# Altium PCB viper_eagle_modern.PcbDoc (part 1 of 4)
Units mm, origin at the board's own origin, x right, y up, seen from the top; angles counter-clockwise.
Board outline 285.4 x 100.2 mm, 2 copper layers (Component Side, Bottom Layer), stack 1.571 mm thick; 350 components, 202 nets, 1207 pads, 313 vias.
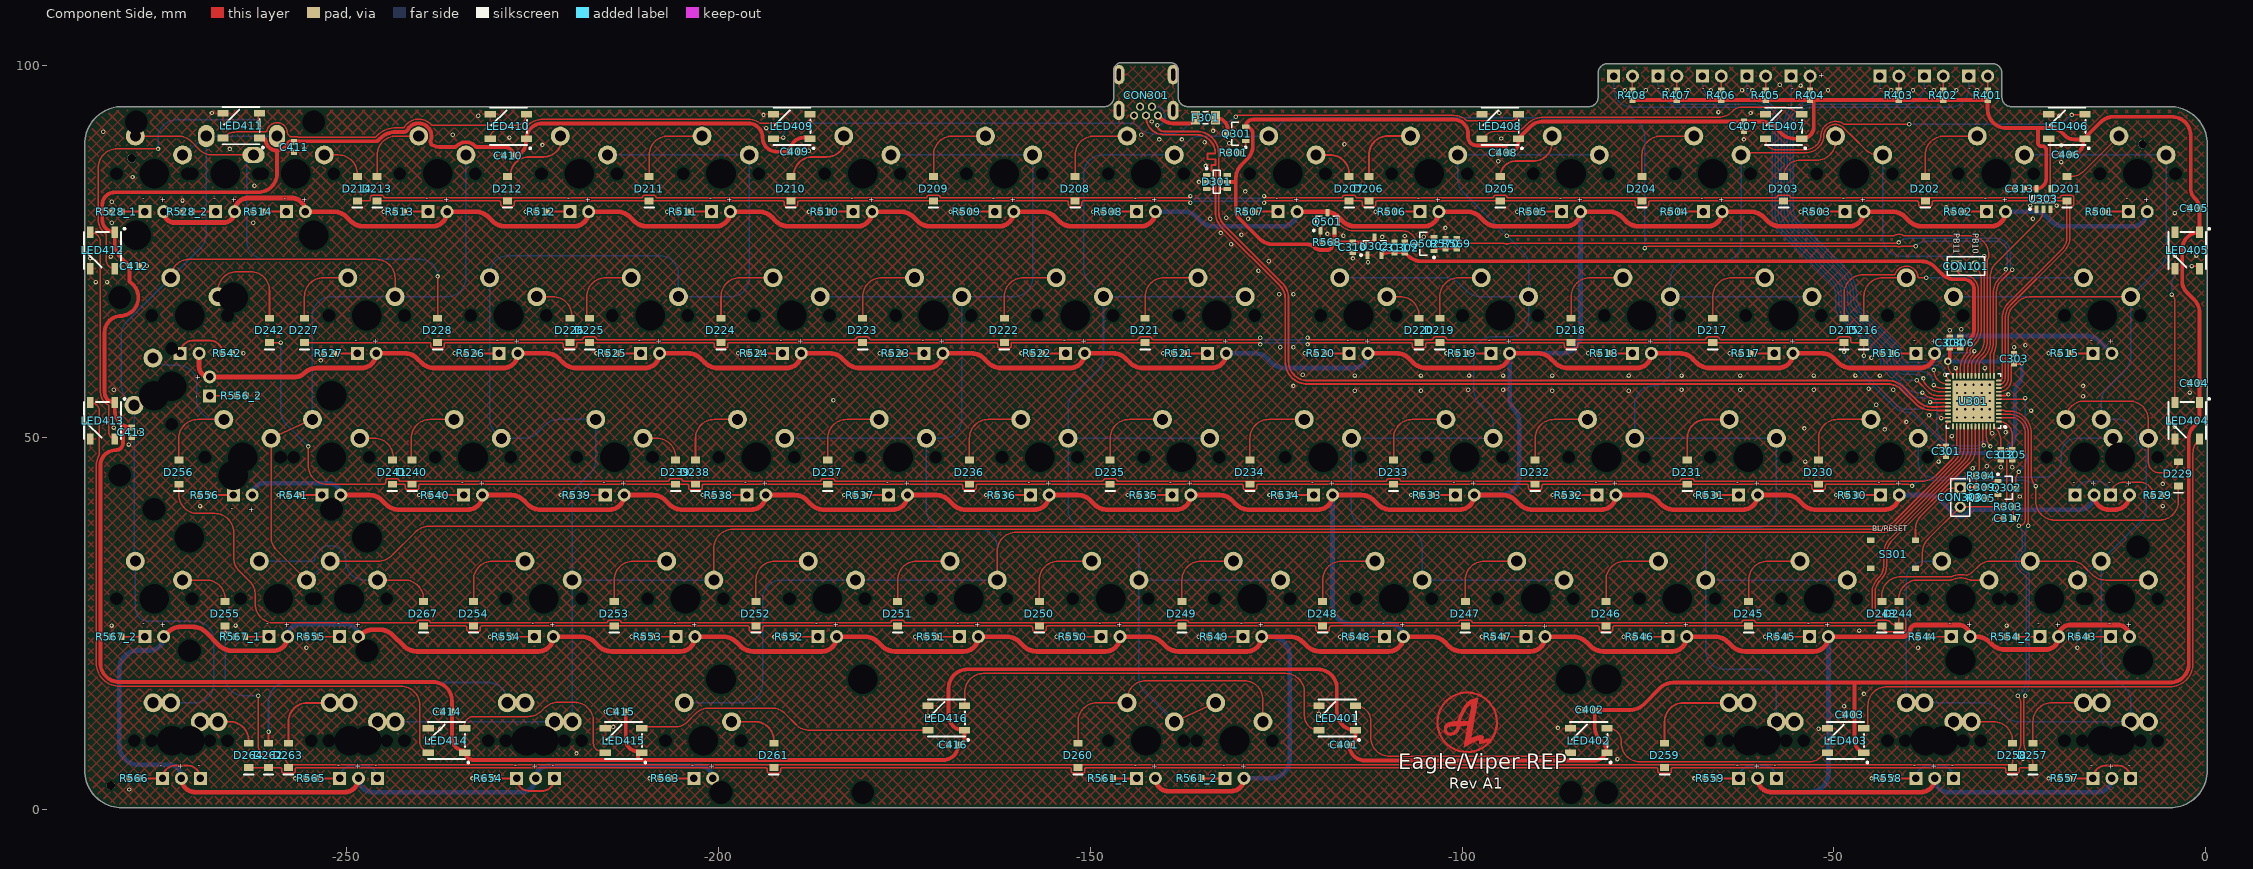
[diagram p0: Component Side view]
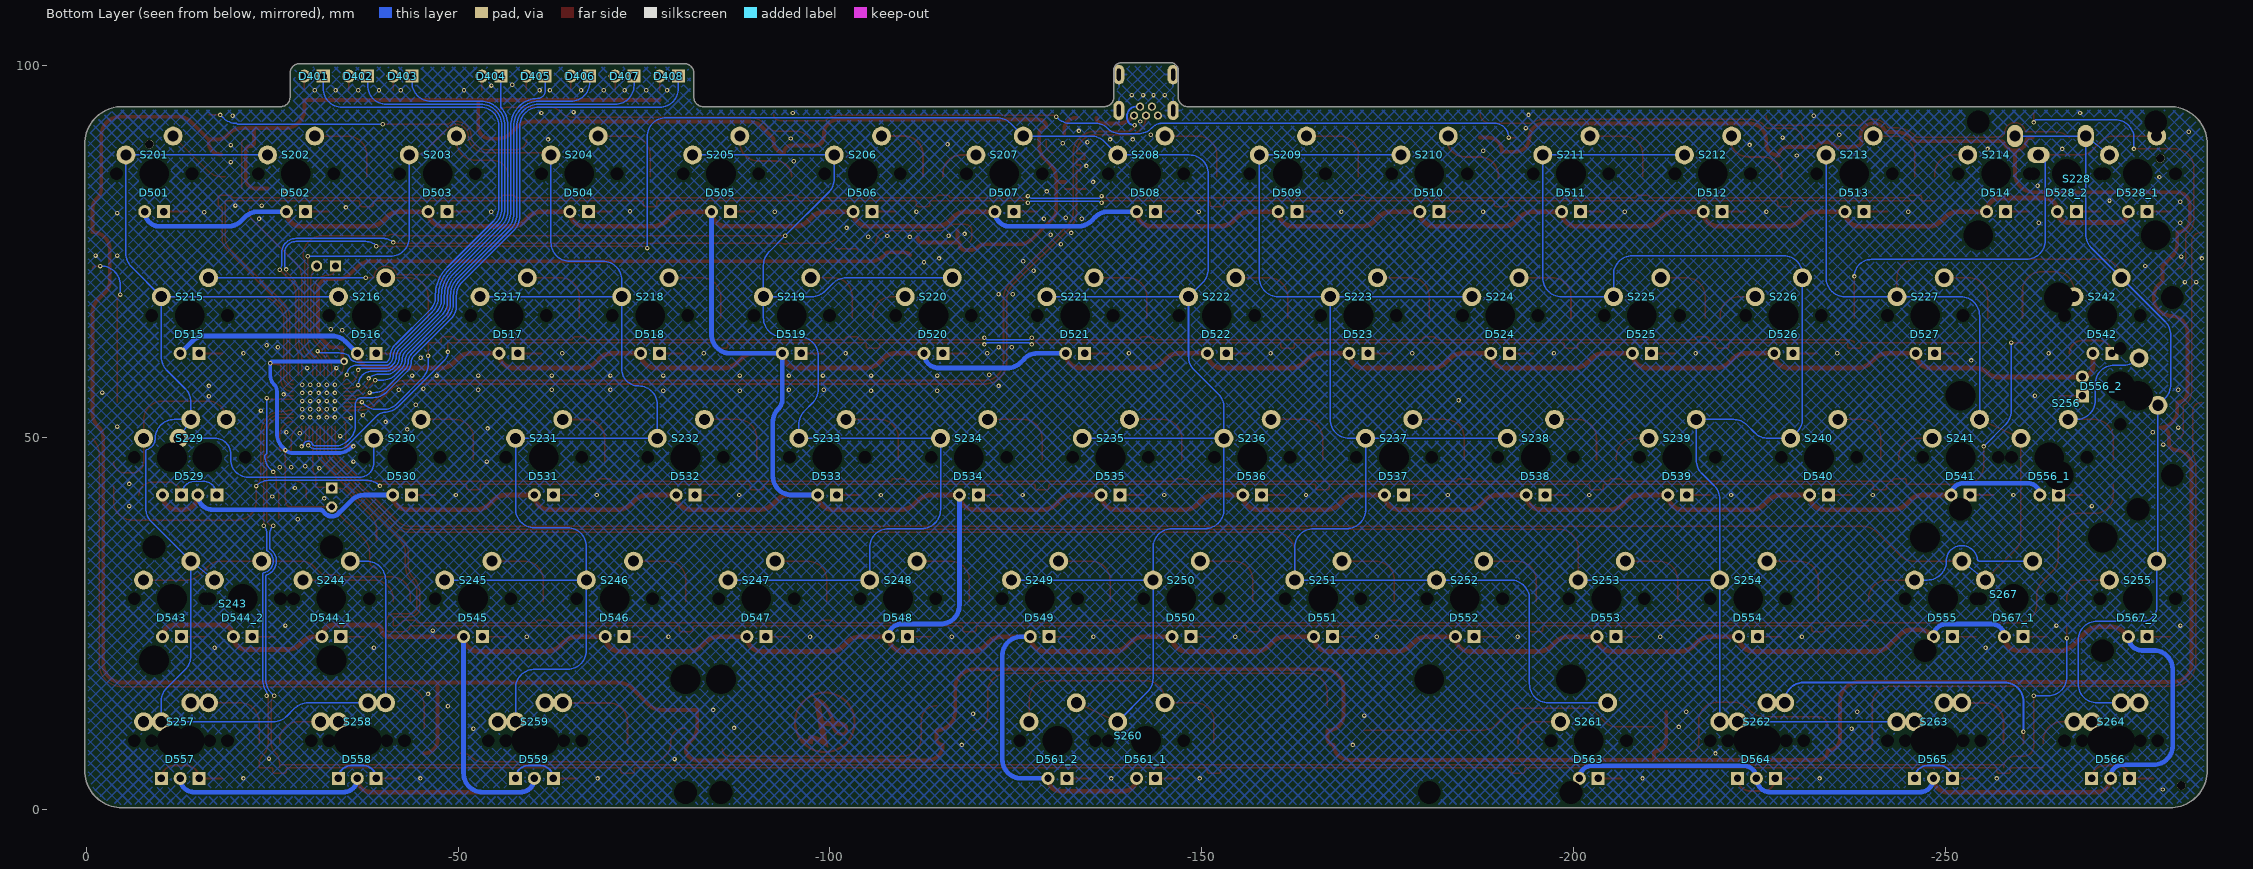
[diagram p1: Bottom Layer view, seen from below]

## Layer stack, top to bottom
Top Solder: solder mask 0.0102, Solder Resist, Dk 3.5
Component Side: signal copper 0.0356
Dielectric 1: core 1.5, FR-4, Dk 4.2
Bottom Layer: signal copper 0.0356
Solder Side: solder mask 0.0102, Solder Resist, Dk 3.5

## Board outline
-285.2,5.215 ccw(c-280.15,5.215) -280.152,0.165 ccw(c-280.15,0.215) -280.15,0.165 -4.85,0.165 ccw(c-4.85,0.215) -4.849,0.165 ccw(c-4.85,5.215) 0.2,5.215 0.2,39.065 0.2,39.37 0.2,89.414 ccw(c0.15,89.415) 0.2,89.415 ccw(c-4.85,89.415) -4.85,94.465 -26.19,94.465 ccw(c-26.19,94.415) -26.19,94.465 cw(c-26.19,95.685) -27.41,95.685 -27.41,98.933 ccw(c-28.73,98.933) -28.73,100.253 -80.391,100.253 ccw(c-80.391,98.933) -81.711,98.933 -81.711,95.685 cw(c-82.931,95.685) -82.931,94.465 -136.929,94.465 ccw(c-136.93,94.415) -136.93,94.465 cw(c-136.93,95.685) -138.15,95.685 -138.15,99.314 ccw(c-139.2,99.314) -139.05,100.354 ccw(c-139.081,100.314) -139.081,100.364 -145.812,100.364 ccw(c-145.812,100.314) -145.815,100.364 ccw(c-145.8,99.314) -146.85,99.314 -146.85,95.685 cw(c-148.07,95.685) -148.07,94.465 -280.15,94.465 ccw(c-280.15,89.415) -285.2,89.416 ccw(c-285.15,89.415) -285.2,89.415

## Design rules (kind name [scope] priority, off if disabled: settings)
Clearance [All] p1: gap=0.2 ignorepadtopadclearanceinfootprint=FALSE except(0: Arc-Hole Track-Hole SMDPad-Hole THPad-Hole Via-Hole Fill-Hole Poly-Hole Region-Hole Text-Hole; 0.254: THPad-THPad THPad-Via THPad-Fill THPad-Poly THPad-Region THPad-Text Via-Via Via-Fill Via-Poly Via-Region Via-Text Fill-Fill Fill-Poly Fill-Region Fill-Text Poly-Poly Poly-Region Poly-Text Region-Region Region-Text Text-Text)
ComponentClearance [InComponent('No Component') And OnLayer('Component Side')] p1: gap=0.254 collisioncheckmode=3 verticalgap=0.254 showdistances=FALSE
DiffPairsRouting DiffPairsRouting_USB [InDifferentialPairClass('All Differential Pairs')] p1: maxlimit=0.254 minlimit=0.203 mostfreqgap=0.203 toplayer_minwidth=0.152 toplayer_maxwidth=0.381 toplayer_prefwidth=0.152 bottomlayer_minwidth=0.152 bottomlayer_maxwidth=0.381 bottomlayer_prefwidth=0.152 maxuncoupledlength=12.7
DiffPairsRouting [All] p2: maxlimit=0.254 minlimit=0.254 mostfreqgap=0.254 toplayer_minwidth=0.381 toplayer_maxwidth=0.381 toplayer_prefwidth=0.381 bottomlayer_minwidth=0.381 bottomlayer_maxwidth=0.381 bottomlayer_prefwidth=0.381 maxuncoupledlength=12.7
HoleSize [All] p1: absolutevalues=TRUE maxlimit=20 minlimit=0.025 maxpercent=80.000 minpercent=20.000
MatchedLengths MatchedLengths_USB_DiffPairs_1 [All] p1: tolerance=0.127 checknetsindiffpair=TRUE checkdiffpairvsdiffpair=FALSE checkxsignals=FALSE checkothers=FALSE
MatchedLengths MatchedLengths_USB_DiffPairs [All] p2: tolerance=0.127 checknetsindiffpair=TRUE checkdiffpairvsdiffpair=FALSE checkxsignals=FALSE checkothers=FALSE
PolygonConnect PolygonConnect_1 [All vs IsVia] p1: connectstyle=Direct reliefconductorwidth=0.254 reliefentries=4 polygonreliefangle="90 Angle" airgapwidth=0.254
PolygonConnect [All] p2: connectstyle=Relief reliefconductorwidth=0.254 reliefentries=4 polygonreliefangle="90 Angle" airgapwidth=0.254
RoutingVias [All] p1: holewidth=0.711 width=1.27 viastyle="Through Hole" minholewidth=0.3 minwidth=0.6 maxholewidth=0.711 maxwidth=1.27
SolderMaskExpansion [All] p1: expansion=0.102 istentingtop=FALSE
Width [All] p1: maxlimit=5 minlimit=0.203 preferedwidth=0.203 minimp=50.000000 maximp=50.000000 favimp=50.000000
27 further rules are at their usual default settings.

## Classes and differential pairs
component class 1_viper_eagle_rep_top: CON101
component class Designator: C201 C202 C203 C204 C205 C206 D201 D202 D203 D204 D205 D206 D207 D208 D209 D210 D211 D212 D213 D214 D215 D216 D217 D218 D219 D220 D221 D222 D223 D224 D225 D226 D227 D228 D229 D230 D231 D232 D233 D234 D235 D236 D237 D238 D239 D240 D241 D242 D243 D244 D245 D246 D247 D248 D249 D250 D251 D252 D253 D254 D255 D256 D257 D258 D259 D260 D261 D262 D263 D264 D267 S201 S202 S203 S204 S205 S206 S207 S208 S209 S210 S211 S212 S213 S214 S215 S216 S217 S218 S219 S220 S221 S222 S223 S224 S225 S226 S227 S228 S229 S230 S231 S232 S233 S234 S235 S236 S237 S238 S239 S240 S241 S242 S243 S244 S245 S246 S247 S248 S249 S250 S251 S252 S253 S254 S255 S256 S257 S258 S259 S260 S261 S262 S263 S264 S267
differential pair D: +D_P -D_N

## Components (designator, comment, footprint, x,y, rotation, side; value= is the part's Value field where it differs from the comment)
C301 "" C0603[1608] -34.925,48.133 r90 top value=0.1uF
C302 "" C0603[1608] -107.696,75.511 r270 top value=0.1uF
C303 "" C0603[1608] -25.781,60.54 r270 top value=0.1uF
C304 "" C0603[1608] -34.417,62.738 r270 top value=0.1uF
C305 "" C0603[1608] -26.035,47.625 r90 top value=0.1uF
C306 "" C0603[1608] -33.02,62.738 r270 top value=0.1uF
C309 "" C0603[1608] -30.226,43.307 r0 top value=4.7uF
C310 "" C0603[1608] -114.681,75.565 r90 top value=4,7uF
C311 "" C0603[1608] -109.093,75.511 r270 top value=1uF
C312 "" C0603[1608] -27.559,47.625 r90 top value=4,7uF
C313 "" C0603[1608] -25.019,83.439 r0 top value=0.1uF
C317 "" C0603[1608] -26.543,39.131 r180 top value=470nF
C401 "" C0603[1608] -115.824,8.636 r0 top value=0.1uF
C402 "" C0603[1608] -82.804,13.335 r0 top value=0.1uF
C403 "" C0603[1608] -47.879,12.7 r0 top value=0.1uF
C404 "" C0603[1608] -1.524,57.277 r0 top value=0.1uF
C405 "" C0603[1608] -1.524,80.772 r0 top value=0.1uF
C406 "" C0603[1608] -18.796,88.011 r0 top value=0.1uF
C407 "" C0603[1608] -62.103,91.821 r90 top value=0.1uF
C408 "" C0603[1608] -94.488,88.265 r0 top value=0.1uF
C409 "" C0603[1608] -189.723,88.392 r180 top value=0.1uF
C410 "" C0603[1608] -228.219,87.884 r0 top value=0.1uF
C411 "" C0603[1608] -257.048,89.027 r90 top value=0.1uF
C412 "" C0603[1608] -278.511,73.025 r180 top value=0.1uF
C413 "" C0603[1608] -278.892,50.673 r90 top value=0.1uF
C414 "" C0603[1608] -236.474,13.081 r0 top value=0.1uF
C415 "" C0603[1608] -213.106,13.081 r0 top value=0.1uF
C416 "" C0603[1608] -168.402,8.636 r0 top value=0.1uF
CON101 "Header 2" HDR1X2 -33.528,73.025 r0 top
CON301 "HRO U-M-M5DD-W-2" "HRO U-M-M5DD-W-2" -142.5,93.95 r270 top locked
CON303 "Header 2" HDR1X2 -33.02,43.18 r270 top
D201 "Diode" SOD-123 -18.669,83.415 r90 top
D202 "Diode" SOD-123 -37.719,83.415 r90 top
D203 "Diode" SOD-123 -56.769,83.415 r90 top
D204 "Diode" SOD-123 -75.819,83.415 r90 top
D205 "Diode" SOD-123 -94.869,83.415 r90 top
D206 "Diode" SOD-123 -112.522,83.415 r90 top
D207 "Diode" SOD-123 -115.189,83.415 r90 top
D208 "Diode" SOD-123 -152.019,83.415 r90 top
D209 "Diode" SOD-123 -171.069,83.415 r90 top
D210 "Diode" SOD-123 -190.246,83.415 r90 top
D211 "Diode" SOD-123 -209.296,83.415 r90 top
D212 "Diode" SOD-123 -228.346,83.415 r90 top
D213 "Diode" SOD-123 -245.872,83.415 r90 top
D214 "Diode" SOD-123 -248.539,83.415 r90 top
D215 "Diode" SOD-123 -48.641,64.365 r90 top
D216 "Diode" SOD-123 -45.974,64.365 r90 top
D217 "Diode" SOD-123 -66.294,64.365 r90 top
D218 "Diode" SOD-123 -85.344,64.365 r90 top
D219 "Diode" SOD-123 -102.997,64.365 r90 top
D220 "Diode" SOD-123 -105.791,64.365 r90 top
D221 "Diode" SOD-123 -142.621,64.365 r90 top
D222 "Diode" SOD-123 -161.544,64.365 r90 top
D223 "Diode" SOD-123 -180.594,64.365 r90 top
D224 "Diode" SOD-123 -199.644,64.365 r90 top
D225 "Diode" SOD-123 -217.297,64.365 r90 top
D226 "Diode" SOD-123 -219.964,64.365 r90 top
D227 "Diode" SOD-123 -255.651,64.365 r90 top
D228 "Diode" SOD-123 -237.744,64.365 r90 top
D229 "Diode" SOD-123 -3.683,45.085 r90 top
D230 "Diode" SOD-123 -52.07,45.315 r90 top
D231 "Diode" SOD-123 -69.723,45.315 r90 top
D232 "Diode" SOD-123 -90.17,45.315 r90 top
D233 "Diode" SOD-123 -109.22,45.315 r90 top
D234 "Diode" SOD-123 -128.524,45.315 r90 top
D235 "Diode" SOD-123 -147.32,45.315 r90 top
D236 "Diode" SOD-123 -166.243,45.315 r90 top
D237 "Diode" SOD-123 -185.293,45.315 r90 top
D238 "Diode" SOD-123 -203.073,45.315 r90 top
D239 "Diode" SOD-123 -205.74,45.315 r90 top
D240 "Diode" SOD-123 -241.173,45.315 r90 top
D241 "Diode" SOD-123 -243.84,45.315 r90 top
D242 "Diode" SOD-123 -260.35,64.365 r90 top
D243 "Diode" SOD-123 -43.561,26.265 r90 top
D244 "Diode" SOD-123 -41.275,26.265 r90 top
D245 "Diode" SOD-123 -61.468,26.265 r90 top
D246 "Diode" SOD-123 -80.645,26.265 r90 top
D247 "Diode" SOD-123 -99.568,26.265 r90 top
D248 "Diode" SOD-123 -118.745,26.265 r90 top
D249 "Diode" SOD-123 -137.668,26.265 r90 top
D250 "Diode" SOD-123 -156.845,26.265 r90 top
D251 "Diode" SOD-123 -175.895,26.265 r90 top
D252 "Diode" SOD-123 -194.945,26.265 r90 top
D253 "Diode" SOD-123 -213.995,26.265 r90 top
D254 "Diode" SOD-123 -232.918,26.265 r90 top
D255 "Diode" SOD-123 -266.319,26.265 r90 top
D256 "Diode" SOD-123 -272.542,45.315 r90 top
D257 "Diode" SOD-123 -23.241,7.215 r90 top
D258 "Diode" SOD-123 -26,7.215 r90 top
D259 "Diode" SOD-123 -72.771,7.215 r90 top
D260 "Diode" SOD-123 -151.638,7.215 r90 top
D261 "Diode" SOD-123 -192.532,7.215 r90 top
D262 "Diode" SOD-123 -260.477,7.215 r90 top
D263 "Diode" SOD-123 -257.81,7.215 r90 top
D264 "Diode" SOD-123 -263.144,7.215 r90 top
D267 "Diode" SOD-123 -239.649,26.265 r90 top
D301 "SRV05" SOT-23-6 -132.969,84.328 r0 top
D401 "LED2" "LED - THT" -30.607,98.565 r180 bottom
D402 "LED2" "LED - THT" -36.576,98.565 r180 bottom
D403 "LED2" "LED - THT" -42.545,98.565 r180 bottom
D404 "LED2" "LED - THT" -54.483,98.565 r180 bottom
D405 "LED2" "LED - THT" -60.452,98.565 r180 bottom
D406 "LED2" "LED - THT" -66.421,98.565 r180 bottom
D407 "LED2" "LED - THT" -72.39,98.565 r180 bottom
D408 "LED2" "LED - THT" -78.359,98.565 r180 bottom
D501 "LED0" "MX-switch - LED" -9.15,85.415 r180 bottom
D502 "LED0" "MX-switch - LED" -28.2,85.415 r180 bottom
D503 "LED0" "MX-switch - LED" -47.25,85.415 r180 bottom
D504 "LED0" "MX-switch - LED" -66.3,85.415 r180 bottom
D505 "LED0" "MX-switch - LED" -85.35,85.415 r180 bottom
D506 "LED0" "MX-switch - LED" -104.4,85.415 r180 bottom
D507 "LED0" "MX-switch - LED" -123.45,85.415 r180 bottom
D508 "LED0" "MX-switch - LED" -142.5,85.415 r180 bottom
D509 "LED0" "MX-switch - LED" -161.55,85.415 r180 bottom
D510 "LED0" "MX-switch - LED" -180.6,85.415 r180 bottom
D511 "LED0" "MX-switch - LED" -199.65,85.415 r180 bottom
D512 "LED0" "MX-switch - LED" -218.7,85.415 r180 bottom
D513 "LED0" "MX-switch - LED" -237.75,85.415 r180 bottom
D514 "LED0" "MX-switch - LED" -256.8,85.415 r180 bottom
D515 "LED0" "MX-switch - LED" -13.912,66.365 r180 bottom
D516 "LED0" "MX-switch - LED" -37.725,66.365 r180 bottom
D517 "LED0" "MX-switch - LED" -56.775,66.365 r180 bottom
D518 "LED0" "MX-switch - LED" -75.825,66.365 r180 bottom
D519 "LED0" "MX-switch - LED" -94.875,66.365 r180 bottom
D520 "LED0" "MX-switch - LED" -113.925,66.365 r180 bottom
D521 "LED0" "MX-switch - LED" -132.975,66.365 r180 bottom
D522 "LED0" "MX-switch - LED" -152.025,66.365 r180 bottom
D523 "LED0" "MX-switch - LED" -171.075,66.365 r180 bottom
D524 "LED0" "MX-switch - LED" -190.125,66.365 r180 bottom
D525 "LED0" "MX-switch - LED" -209.175,66.365 r180 bottom
D526 "LED0" "MX-switch - LED" -228.225,66.365 r180 bottom
D527 "LED0" "MX-switch - LED" -247.275,66.365 r180 bottom
D528_1 "LED0" "MX-switch - LED" -275.844,85.415 r180 bottom
D528_2 "LED0" "MX-switch - LED" -266.319,85.415 r180 bottom
D529 "LED0" "MX-switch - CAPS - LED NO SWITCH" -16.294,47.315 r180 bottom
D530 "LED0" "MX-switch - LED" -42.487,47.315 r180 bottom
D531 "LED0" "MX-switch - LED" -61.537,47.315 r180 bottom
D532 "LED0" "MX-switch - LED" -80.587,47.315 r180 bottom
D533 "LED0" "MX-switch - LED" -99.637,47.315 r180 bottom
D534 "LED0" "MX-switch - LED" -118.687,47.315 r180 bottom
D535 "LED0" "MX-switch - LED" -137.737,47.315 r180 bottom
D536 "LED0" "MX-switch - LED" -156.787,47.315 r180 bottom
D537 "LED0" "MX-switch - LED" -175.837,47.315 r180 bottom
D538 "LED0" "MX-switch - LED" -194.887,47.315 r180 bottom
D539 "LED0" "MX-switch - LED" -213.937,47.315 r180 bottom
D540 "LED0" "MX-switch - LED" -232.987,47.315 r180 bottom
D541 "LED0" "MX-switch - LED" -252.031,47.315 r180 bottom
D542 "LED0" "MX-switch - LED" -271.087,66.365 r180 bottom
D543 "LED0" "MX-switch - LED" -11.531,28.265 r180 bottom
D544_1 "LED0" "MX-switch - LED" -32.96,28.265 r180 bottom
D544_2 "LED0" "MX-switch - LED" -21.056,28.265 r180 bottom
D545 "LED0" "MX-switch - LED" -52.012,28.265 r180 bottom
D546 "LED0" "MX-switch - LED" -71.062,28.265 r180 bottom
D547 "LED0" "MX-switch - LED" -90.112,28.265 r180 bottom
D548 "LED0" "MX-switch - LED" -109.162,28.265 r180 bottom
D549 "LED0" "MX-switch - LED" -128.212,28.265 r180 bottom
D550 "LED0" "MX-switch - LED" -147.262,28.265 r180 bottom
D551 "LED0" "MX-switch - LED" -166.312,28.265 r180 bottom
D552 "LED0" "MX-switch - LED" -185.362,28.265 r180 bottom
D553 "LED0" "MX-switch - LED" -204.412,28.265 r180 bottom
D554 "LED0" "MX-switch - LED" -223.462,28.265 r180 bottom
D555 "LED0" "MX-switch - LED" -249.655,28.265 r180 bottom
D556_1 "LED0" "MX-switch - LED" -263.95,47.315 r180 bottom
D556_2 "LED0" "MX-switch - LED" -273.48,56.845 r270 bottom
D557 "LED0" "MX-switch - LED - MODS" -13.912,9.215 r180 bottom
D558 "LED0" "MX-switch - LED - MODS" -37.719,9.215 r180 bottom
D559 "LED0" "MX-switch - LED - MODS" -61.537,9.215 r180 bottom
D561_1 "LED0" "MX-switch - LED" -142.499,9.215 r180 bottom
D561_2 "LED0" "MX-switch - LED" -130.593,9.215 r180 bottom
D563 "LED0" "MX-switch - LED" -202.031,9.215 r180 bottom
D564 "LED0" "MX-switch - LED - MODS" -225.843,9.215 r180 bottom
D565 "LED0" "MX-switch - LED - MODS" -249.65,9.215 r180 bottom
D566 "LED0" "MX-switch - LED - MODS" -273.468,9.215 r180 bottom
D567_1 "LED0" "MX-switch - LED" -259.18,28.265 r180 bottom
D567_2 "LED0" "MX-switch - LED" -275.85,28.265 r180 bottom
F301 "Fuse Thermal" C1206[3216] -134.493,92.964 r180 top
LED401 "WS2812B" WS2812B -116.783,12.25 r180 top
LED402 "WS2812B" WS2812B -82.969,9.215 r180 top
LED403 "WS2812B" WS2812B -48.438,9.215 r180 top
LED404 "WS2812B" WS2812B -2.5,52.235 r270 top
LED405 "WS2812B" WS2812B -2.5,75.115 r270 top
LED406 "WS2812B" WS2812B -18.675,91.8 r180 top
LED407 "WS2812B" WS2812B -56.775,91.8 r180 top
LED408 "WS2812B" WS2812B -94.875,91.8 r180 top
LED409 "WS2812B" WS2812B -190.125,91.8 r180 top
LED410 "WS2812B" WS2812B -228.225,91.8 r180 top
LED411 "WS2812B" WS2812B -264.16,91.9 r180 top
LED412 "WS2812B" WS2812B -282.8,75.115 r270 top
LED413 "WS2812B" WS2812B -282.8,52.235 r270 top
LED414 "WS2812B" WS2812B -236.556,9.215 r180 top
LED415 "WS2812B" WS2812B -212.747,9.215 r180 top
LED416 "WS2812B" WS2812B -169.339,12.25 r180 top
Q301 "PMOS-2" SOT-23-3 -130.302,90.805 r180 top
Q302 "2N7002 NMOS" SOT-23-3 -26.746,43.195 r0 top
Q501 "SI2301CDS PMOS" SOT-23-3 -118.11,78.994 r90 top
Q502 "2N7002 NMOS" SOT-23-3 -104.976,76 r180 top
R301 "Res1" R0603[1608] -130.683,88.265 r180 top value=10K
R303 "Res1" R0603[1608] -26.543,40.64 r0 top value=10K
R304 "Res1" R0603[1608] -30.226,44.831 r0 top value=10K
R305 "Res1" R0603[1608] -30.226,41.783 r180 top value=100K
R401 "Res1" R0603[1608] -29.337,96 r90 top value=680R
R402 "Res1" R0603[1608] -35.306,96 r90 top value=680R
R403 "Res1" R0603[1608] -41.275,96 r90 top value=680R
R404 "Res1" R0603[1608] -53.213,96 r90 top value=680R
R405 "Res1" R0603[1608] -59.182,96 r90 top value=680R
R406 "Res1" R0603[1608] -65.151,96 r90 top value=680R
R407 "Res1" R0603[1608] -71.12,96 r90 top value=680R
R408 "Res1" R0603[1608] -77.089,96 r90 top value=680R
R501 "Res1" R0603[1608] -14.23,80.335 r0 top value=680R
R502 "Res1" R0603[1608] -33.28,80.335 r0 top value=680R
R503 "Res1" R0603[1608] -52.33,80.335 r0 top value=680R
R504 "Res1" R0603[1608] -71.38,80.335 r0 top value=680R
R505 "Res1" R0603[1608] -90.43,80.335 r0 top value=680R
R506 "Res1" R0603[1608] -109.48,80.335 r0 top value=680R
R507 "Res1" R0603[1608] -128.53,80.335 r0 top value=680R
R508 "Res1" R0603[1608] -147.58,80.335 r0 top value=680R
R509 "Res1" R0603[1608] -166.63,80.335 r0 top value=680R
R510 "Res1" R0603[1608] -185.68,80.335 r0 top value=680R
R511 "Res1" R0603[1608] -204.73,80.335 r0 top value=680R
R512 "Res1" R0603[1608] -223.78,80.335 r0 top value=680R
R513 "Res1" R0603[1608] -242.83,80.335 r0 top value=680R
R514 "Res1" R0603[1608] -261.88,80.335 r0 top value=680R
R515 "Res1" R0603[1608] -18.992,61.285 r0 top value=680R
R516 "Res1" R0603[1608] -42.805,61.285 r0 top value=680R
R517 "Res1" R0603[1608] -61.855,61.285 r0 top value=680R
R518 "Res1" R0603[1608] -80.905,61.285 r0 top value=680R
R519 "Res1" R0603[1608] -99.955,61.285 r0 top value=680R
R520 "Res1" R0603[1608] -119.005,61.285 r0 top value=680R
R521 "Res1" R0603[1608] -138.055,61.285 r0 top value=680R
R522 "Res1" R0603[1608] -157.105,61.285 r0 top value=680R
R523 "Res1" R0603[1608] -176.155,61.285 r0 top value=680R
R524 "Res1" R0603[1608] -195.205,61.285 r0 top value=680R
R525 "Res1" R0603[1608] -214.255,61.285 r0 top value=680R
R526 "Res1" R0603[1608] -233.305,61.285 r0 top value=680R
R527 "Res1" R0603[1608] -252.355,61.285 r0 top value=680R
R528_1 "Res1" R0603[1608] -280.924,80.335 r0 top value=680R
R528_2 "Res1" R0603[1608] -271.399,80.335 r0 top value=680R
R529 "Res1" R0603[1608] -6.451,42.235 r180 top value=680R
R530 "Res1" R0603[1608] -47.567,42.235 r0 top value=680R
R531 "Res1" R0603[1608] -66.617,42.235 r0 top value=680R
R532 "Res1" R0603[1608] -85.667,42.235 r0 top value=680R
R533 "Res1" R0603[1608] -104.717,42.235 r0 top value=680R
R534 "Res1" R0603[1608] -123.767,42.235 r0 top value=680R
R535 "Res1" R0603[1608] -142.817,42.235 r0 top value=680R
R536 "Res1" R0603[1608] -161.867,42.235 r0 top value=680R
R537 "Res1" R0603[1608] -180.917,42.235 r0 top value=680R
R538 "Res1" R0603[1608] -199.967,42.235 r0 top value=680R
R539 "Res1" R0603[1608] -219.017,42.235 r0 top value=680R
R540 "Res1" R0603[1608] -238.067,42.235 r0 top value=680R
R541 "Res1" R0603[1608] -257.112,42.235 r0 top value=680R
R542 "Res1" R0603[1608] -266.007,61.285 r180 top value=680R
R543 "Res1" R0603[1608] -16.611,23.185 r0 top value=680R
R544 "Res1" R0603[1608] -38.04,23.185 r0 top value=680R
R545 "Res1" R0603[1608] -57.092,23.185 r0 top value=680R
R546 "Res1" R0603[1608] -76.142,23.185 r0 top value=680R
R547 "Res1" R0603[1608] -95.192,23.185 r0 top value=680R
R548 "Res1" R0603[1608] -114.242,23.185 r0 top value=680R
R549 "Res1" R0603[1608] -133.292,23.185 r0 top value=680R
R550 "Res1" R0603[1608] -152.342,23.185 r0 top value=680R
R551 "Res1" R0603[1608] -171.392,23.185 r0 top value=680R
R552 "Res1" R0603[1608] -190.442,23.185 r0 top value=680R
R553 "Res1" R0603[1608] -209.492,23.185 r0 top value=680R
R554 "Res1" R0603[1608] -228.542,23.185 r0 top value=680R
R554_2 "Res1" R0603[1608] -26.136,23.185 r0 top value=680R
R555 "Res1" R0603[1608] -254.735,23.185 r0 top value=680R
R556 "Res1" R0603[1608] -269.03,42.235 r0 top value=680R
R556_2 "Res1" R0603[1608] -264.16,55.575 r180 top value=680R
R557 "Res1" R0603[1608] -18.992,4.135 r0 top value=680R
R558 "Res1" R0603[1608] -42.799,4.135 r0 top value=680R
R559 "Res1" R0603[1608] -66.617,4.135 r0 top value=680R
R561_1 "Res1" R0603[1608] -147.579,4.135 r0 top value=680R
R561_2 "Res1" R0603[1608] -135.673,4.135 r0 top value=680R
R563 "Res1" R0603[1608] -207.111,4.135 r0 top value=680R
R565 "Res1" R0603[1608] -254.73,4.135 r0 top value=680R
R566 "Res1" R0603[1608] -278.548,4.135 r0 top value=680R
R567_1 "Res1" R0603[1608] -264.26,23.185 r0 top value=680R
R567_2 "Res1" R0603[1608] -280.93,23.185 r0 top value=680R
R568 "Res1" R0603[1608] -118.11,76.2 r0 top value=2M
R569 "Res1" R0603[1608] -100.711,76 r270 top value=330R
R570 "Res1" R0603[1608] -102.235,76 r90 top value=100k
R654 "Res1" R0603[1608] -230.923,4.135 r0 top value=680R
S201 "MX" "MX-SWITCH - SWITCHED POL" -9.15,85.415 r180 bottom locked
S202 "MX" "MX-switch - switched pol - connector" -28.2,85.415 r180 bottom
S203 "MX" "MX-SWITCH - SWITCHED POL" -47.25,85.415 r180 bottom locked
S204 "MX" "MX-switch - switched pol" -66.3,85.415 r180 bottom
S205 "MX" "MX-switch - switched pol" -85.35,85.415 r180 bottom locked
S206 "MX" "MX-switch - switched pol" -104.4,85.415 r180 bottom locked
S207 "MX" MX-switch#1 -123.45,85.415 r180 bottom locked
S208 "MX" "MX-switch - switched pol" -142.5,85.415 r180 bottom locked
S209 "MX" "MX-switch - switched pol" -161.55,85.415 r180 bottom locked
S210 "MX" "MX-switch - switched pol" -180.6,85.415 r180 bottom locked
S211 "MX" "MX-switch - switched pol" -199.65,85.415 r180 bottom
S212 "MX" "MX-switch - switched pol" -218.7,85.415 r180 bottom locked
S213 "MX" "MX-switch - switched pol" -237.75,85.415 r180 bottom
S214 "MX" MX-switch#2 -256.8,85.415 r180 bottom locked
S215 "MX" "MX-switch - 1.5U" -13.912,66.365 r180 bottom locked
S216 "MX" "MX-SWITCH - SWITCHED POL" -37.725,66.365 r180 bottom locked
S217 "MX" "MX-SWITCH - SWITCHED POL" -56.775,66.365 r180 bottom locked
S218 "MX" "MX-SWITCH - SWITCHED POL" -75.825,66.365 r180 bottom locked
S219 "MX" "MX-SWITCH - SWITCHED POL" -94.875,66.365 r180 bottom locked
S220 "MX" MX-switch#1 -113.925,66.365 r180 bottom locked
S221 "MX" "MX-SWITCH - SWITCHED POL" -132.975,66.365 r180 bottom locked
S222 "MX" "MX-SWITCH - SWITCHED POL" -152.025,66.365 r180 bottom locked
S223 "MX" "MX-SWITCH - SWITCHED POL" -171.075,66.365 r180 bottom locked
S224 "MX" "MX-SWITCH - SWITCHED POL" -190.125,66.365 r180 bottom locked
S225 "MX" "MX-SWITCH - SWITCHED POL" -209.175,66.365 r180 bottom locked
S226 "MX" MX-switch#1 -228.225,66.365 r180 bottom locked
S227 "MX" "MX-SWITCH - SWITCHED POL" -247.275,66.365 r180 bottom locked
S228 "MX" "MX-switch - backspace" -266.319,85.415 r180 bottom locked
S229 "MX" "MX-switch - CAPS" -16.294,47.315 r180 bottom locked
S230 "MX" "MX-SWITCH - SWITCHED POL" -42.487,47.315 r180 bottom locked
S231 "MX" "MX-SWITCH - SWITCHED POL" -61.537,47.315 r180 bottom locked
S232 "MX" "MX-SWITCH - SWITCHED POL" -80.587,47.315 r180 bottom locked
S233 "MX" "MX-SWITCH - SWITCHED POL" -99.637,47.315 r180 bottom locked
S234 "MX" "MX-SWITCH - SWITCHED POL" -118.687,47.315 r180 bottom locked
S235 "MX" "MX-SWITCH - SWITCHED POL" -137.737,47.315 r180 bottom locked
S236 "MX" "MX-SWITCH - SWITCHED POL" -156.787,47.315 r180 bottom locked
S237 "MX" "MX-SWITCH - SWITCHED POL" -175.837,47.315 r180 bottom locked
S238 "MX" "MX-SWITCH - SWITCHED POL" -194.887,47.315 r180 bottom locked
S239 "MX" MX-switch#1 -213.937,47.315 r180 bottom locked
S240 "MX" "MX-SWITCH - SWITCHED POL" -232.987,47.315 r180 bottom locked
S241 "MX" MX-switch#1 -252.031,47.315 r180 bottom locked
S242 "MX" "MX-switch - 1.5U" -271.087,66.365 r180 bottom locked
S243 "MX" "MX-SWITCH - LEFT SHIFT" -21.056,28.265 r180 bottom locked
S244 "MX" MX-switch#1 -32.96,28.265 r180 bottom locked
S245 "MX" "MX-SWITCH - SWITCHED POL" -52.012,28.265 r180 bottom locked
S246 "MX" "MX-SWITCH - SWITCHED POL" -71.062,28.265 r180 bottom locked
S247 "MX" "MX-SWITCH - SWITCHED POL" -90.112,28.265 r180 bottom locked
S248 "MX" "MX-SWITCH - SWITCHED POL" -109.162,28.265 r180 bottom locked
S249 "MX" "MX-SWITCH - SWITCHED POL" -128.212,28.265 r180 bottom locked
S250 "MX" "MX-SWITCH - SWITCHED POL" -147.262,28.265 r180 bottom locked
S251 "MX" "MX-SWITCH - SWITCHED POL" -166.312,28.265 r180 bottom locked
S252 "MX" "MX-SWITCH - SWITCHED POL" -185.362,28.265 r180 bottom locked
S253 "MX" "MX-SWITCH - SWITCHED POL" -204.412,28.265 r180 bottom locked
S254 "MX" "MX-SWITCH - SWITCHED POL" -223.462,28.265 r180 bottom locked
S255 "MX" MX-switch#1 -275.85,28.265 r180 bottom locked
S256 "MX" "MX-switch - Enter - rotated ISO" -263.95,47.315 r180 bottom locked
S257 "MX" "MX-switch - 1.5u MOD-L" -13.912,9.215 r180 bottom locked
S258 "MX" "MX-switch - 1u MOD-L" -37.719,9.215 r180 bottom locked
S259 "MX" "MX-switch - 1.5u MOD-L" -61.537,9.215 r180 bottom locked
S260 "MX" "MX-switch - Space_V2" -142.499,9.215 r180 bottom locked
S261 "MX" MX-switch#1 -202.031,9.215 r180 bottom locked
S262 "MX" "MX-switch - 1.5u MOD-R" -223.462,9.215 r180 bottom locked
S263 "MX" "MX-switch - 1u MOD-R" -247.269,9.215 r180 bottom locked
S264 "MX" "MX-switch - 1.5u MOD-R" -271.087,9.215 r180 bottom locked
S267 "MX" "MX-switch - right shift - rotated stab" -259.18,28.265 r180 bottom locked
S301 "SW-PB" "XKB Switch" -42.037,34.29 r180 top
U301 "STM32F072/F303_LQFP48" "STM32 - COMBO 7X7MM" -31.242,54.864 r180 top locked
U302 "SOT23 LDO" SOT-23-3 -111.76,75.692 r90 top
U303 "SN74LV1T125" SOT-23-5 -21.844,82.042 r90 top

## Footprints (in the part's own frame and the unit in brackets; to place one, negate y for a bottom-side part, rotate by r counter-clockwise, add the part's x,y. Pads: shape width x height; smd on the part's side, far side on the other; paste and mask are expansions set on the pad)
C0603[1608] [mm] "Chip Resistor, 2-Leads, Body 1,57x0,80mm, IPC Medium Density"
  rect 0.8x0.85 smd: 1(-0.65,0) 2(0.65,0)
  body extent -0.83,-0.43 0.82,0.43, height 0.5
C1206[3216] [mm]
  rect 1.2x1.8 smd: 1(-1.35,0) 2(1.35,0)
  silkscreen extent -0.35,-0.8 0.35,0.8, body extent -1.6,-0.9 1.6,0.9, height 1.2
HDR1X2 [mm] "Connector; Header; 2 Position"
  rect 1.5x1.5 hole 0.9 mask+0.102: 1(0,0)
  round 1.5 hole 0.9 mask+0.102: 2(2.54,0)
  silkscreen extent -1.27,-1.27 3.81,1.27
"HRO U-M-M5DD-W-2" [mm]
  round 1.1 hole 0.7: 1(0.7,1.6) 2(-0.5,0.8) 3(0.7,0) 4(-0.5,-0.8) 5(0.7,-1.6)
  oval 2.6x1.5 hole 0.5 slot 1.6 at 0 deg: S(-4.8,3.65) S(-4.8,-3.65) S(0,3.65) S(0,-3.65)
"LED - THT" [mm] "MX Spec"
  round 1.75 hole 1 mask+0.102: 1(-1.27,0)
  rect 1.75x1.75 hole 1 mask+0.102: 2(1.27,0)
  round 1 on Mech14: ""(0,0)
MX-switch#1 [mm]
  round 2.54 hole 1.499 mask+0.102: 1(-3.81,2.54) 2(2.54,5.08)
  round 1 hole 1.702 unplated: ""(-5.08,0) ""(5.08,0)
  round 1 hole 3.988 unplated: ""(0,0)
MX-switch#2 [mm]
  round 2.54 hole 1.499 mask+0.102: 1(-3.81,2.54)
  oval 2.2x3 hole 1.499 mask+0.102: 2(2.54,5.08)
  round 1 hole 1.702 unplated: ""(-5.08,0) ""(5.08,0)
  round 1 hole 3.988 unplated: ""(0,0)
"MX-switch - 1.5U" [mm]
  round 2.54 hole 1.499 mask+0.102: 1(-3.81,2.54) 2(2.54,5.08)
  round 1 hole 1.702 unplated: ""(-5.08,0) ""(5.08,0)
  round 1 hole 3.988 unplated: ""(0,0)
  round 1 on Mech14: ""(0,0)
"MX-switch - 1.5u MOD-L" [mm]
  round 2.54 hole 1.499 mask+0.102: 1(-6.191,2.54) 1(-3.81,2.54) 2(0.159,5.08) 2(2.54,5.08)
  round 1 hole 1.702 unplated: ""(-7.461,0) ""(-5.08,0) ""(2.699,0) ""(5.08,0)
  round 1 on Mech14: ""(-4.763,0) ""(-2.381,0) ""(0,0) ""(4.763,0)
  round 1 hole 3.988 unplated: ""(-2.381,0) ""(0,0)
"MX-switch - 1.5u MOD-R" [mm]
  round 2.54 hole 1.499 mask+0.102: 1(-3.81,2.54) 1(-1.429,2.54) 2(2.54,5.08) 2(4.921,5.08)
  round 1 hole 1.702 unplated: ""(-5.08,0) ""(-2.699,0) ""(5.08,0) ""(7.461,0)
  round 1 on Mech14: ""(-2.381,0) ""(0,0) ""(2.381,0) ""(4.763,0)
  round 1 hole 3.988 unplated: ""(0,0) ""(2.381,0)
"MX-switch - 1u MOD-L" [mm]
  round 2.54 hole 1.499 mask+0.102: 1(-6.191,2.54) 1(-3.81,2.54) 2(0.159,5.08) 2(2.54,5.08)
  round 1 hole 1.702 unplated: ""(-7.461,0) ""(-5.08,0) ""(2.699,0) ""(5.08,0)
  round 1 hole 3.988 unplated: ""(-2.381,0) ""(0,0)
  round 1 on Mech14: ""(-2.381,0) ""(0,0) ""(2.381,0)
"MX-switch - 1u MOD-R" [mm]
  round 2.54 hole 1.499 mask+0.102: 1(-3.81,2.54) 1(-1.429,2.54) 2(2.54,5.08) 2(4.921,5.08)
  round 1 hole 1.702 unplated: ""(-5.08,0) ""(-2.699,0) ""(5.08,0) ""(7.461,0)
  round 1 on Mech14: ""(-4.763,0) ""(-2.381,0) ""(0,0) ""(2.381,0)
  round 1 hole 3.988 unplated: ""(0,0) ""(2.381,0)
"MX-switch - backspace" [mm]
  oval 2.2x3 hole 1.499 mask+0.102: 1(2.54,5.08)
  round 2.54 hole 1.499 mask+0.102: 1(5.715,2.54) 2(12.065,5.08)
  oval 3x2.2 hole 1.499 mask+0.102: 2(-3.81,2.54)
  round 1.524 hole 3.988 unplated: ""(-11.938,-8.255) ""(11.938,-8.255)
  round 1.524 hole 3.048 unplated: ""(-11.938,6.985) ""(11.938,6.985)
  round 1 hole 1.702 unplated: ""(-5.08,0) ""(4.445,0) ""(5.08,0) ""(14.605,0)
  round 1 hole 3.988 unplated: ""(0,0) ""(9.525,0)
  round 1 on Mech14: ""(0,0) ""(9.525,0)
"MX-switch - CAPS" [mm]
  round 2.54 hole 1.499 mask+0.102: 1(-8.572,2.54) 1(2.54,5.08) 2(-3.81,2.54) 2(-2.222,5.08)
  round 1 hole 1.702 unplated: ""(-9.842,0) ""(5.08,0)
  round 1 hole 3.988 unplated: ""(-4.763,0) ""(0,0)
  round 1 on Mech14: ""(-4.763,0) ""(0,0)
"MX-switch - CAPS - LED NO SWITCH" [mm]
  round 1.75 hole 1 mask+0.102: 1(-6.033,-5.08) 1(-1.27,-5.08)
  rect 1.75x1.75 hole 1 mask+0.102: 2(-3.493,-5.08) 2(1.27,-5.08)
  round 1 on Mech14: ""(0,0)
"MX-switch - Enter - rotated ISO" [mm]
  round 2.54 hole 1.499 mask+0.102: 1(2.54,5.08) 1(12.07,13.34) 2(-3.81,2.54) 2(14.61,6.99)
  round 1.524 hole 3.048 unplated: ""(-11.938,-6.985) ""(11.938,-6.985) ""(16.515,-2.408) ""(16.515,21.468)
  round 1.524 hole 3.988 unplated: ""(-11.938,8.255) ""(1.275,-2.408) ""(1.275,21.468) ""(11.938,8.255)
  round 1 hole 1.702 unplated: ""(-5.08,0) ""(5.08,0) ""(9.53,4.45) ""(9.53,14.61)
  round 1 hole 3.988 unplated: ""(0,0) ""(9.53,9.53)
  round 1 on Mech14: ""(0,0) ""(9.53,9.53)
"MX-switch - LED" [mm]
  round 1.75 hole 1 mask+0.102: 1(-1.27,-5.08)
  rect 1.75x1.75 hole 1 mask+0.102: 2(1.27,-5.08)
  round 1 on Mech14: ""(0,0)
"MX-switch - LED - MODS" [mm]
  round 1.75 hole 1 mask+0.102: 1(-1.27,-5.08)
  rect 1.75x1.75 hole 1 mask+0.102: 2(-3.81,-5.08) 2(1.27,-5.08)
  round 1 on Mech14: ""(0,0)
"MX-SWITCH - LEFT SHIFT" [mil]
  round 100 hole 59 mask+4: 1(-525,100) 1(100,200) 2(-275,200) 2(-150,100)
  round 39.37 hole 67.01 unplated: ""(-575,0) ""(-200,0) ""(-175,0) ""(200,0)
  round 60 hole 157.01 unplated: ""(-470,-325) ""(470,-325)
  round 60 hole 120 unplated: ""(-470,275) ""(470,275)
  round 39.37 hole 157.01 unplated: ""(-375,0) ""(0,0)
  round 39.37 on Mech14: ""(-375,0) ""(0,0)
"MX-switch - right shift - rotated stab" [mil]
  round 100 hole 59 mask+4: 1(-525,100) 1(100,200) 2(-275,200) 2(-150,100)
  round 39.37 hole 67.01 unplated: ""(-575,0) ""(-200,0) ""(-175,0) ""(200,0)
  round 60 hole 120 unplated: ""(-470,-275) ""(470,-275)
  round 60 hole 157.01 unplated: ""(-470,325) ""(470,325)
  round 39.37 hole 157.01 unplated: ""(-375,0) ""(0,0)
  round 39.37 on Mech14: ""(-375,0) ""(0,0)
"MX-switch - Space_V2" [mil]
  round 100 hole 59 mask+4: 1(-368.75,200) 1(-150,100) 2(-618.75,100) 2(100,200)
  round 60 hole 120 unplated: ""(-2437.4,-275) ""(-2250,-275) ""(1499.61,-275) ""(2250,-275)
  round 60 hole 157.01 unplated: ""(-2437.4,325) ""(-2250,325) ""(1499.61,325) ""(2250,325)
  round 39.37 hole 67.01 unplated: ""(-668.75,0) ""(-268.75,0) ""(-200,0) ""(200,0)
  round 39.37 hole 157.01 unplated: ""(-468.75,0) ""(0,0)
  round 39.37 on Mech14: ""(-468.75,0) ""(0,0)
"MX-SWITCH - SWITCHED POL" [mm]
  round 2.54 hole 1.499 mask+0.102: 1(2.54,5.08) 2(-3.81,2.54)
  round 1 hole 1.702 unplated: ""(-5.08,0) ""(5.08,0)
  round 1 hole 3.988 unplated: ""(0,0)
"MX-switch - switched pol" [mm]
  round 2.54 hole 1.499 mask+0.102: 1(2.54,5.08) 2(-3.81,2.54)
  round 1 hole 1.702 unplated: ""(-5.08,0) ""(5.08,0)
  round 1 hole 3.988 unplated: ""(0,0)
"MX-switch - switched pol - connector" [mm]
  round 2.54 hole 1.499 mask+0.102: 1(2.54,5.08) 2(-3.81,2.54)
  round 1 hole 1.702 unplated: ""(-5.08,0) ""(5.08,0)
  round 1 hole 3.988 unplated: ""(0,0)
R0603[1608] [mm] "Chip Resistor, 2-Leads, Body 1,57x0,80mm, IPC Medium Density"
  rect 0.8x0.85 smd: 1(-0.65,0) 2(0.65,0)
  body extent -0.83,-0.43 0.82,0.43, height 0.5
SOD-123 [mm]
  rect 0.91x1.22 smd: 1(1.635,0) 2(-1.635,0)
  silkscreen extent -2.54,-0.64 -2.54,0.63, body extent -1.87,-0.85 1.88,0.85, height 1.2
SOT-23-3 [mm] "3.3v regulator, used in Windsond S2 proto 1"
  rect 1x0.55 smd: 1(-1.2,0.95) 2(-1.2,-0.95) 3(1.2,0)
  silkscreen extent -1.33,-1.55 0.7,1.95, body extent -1.45,-1.5 1.1,1.5, height 1
SOT-23-5 [mm]
  rect 1x0.55 smd: 1(-1.375,0.95) 2(-1.375,0) 3(-1.375,-0.95) 4(1.375,-0.95) 5(1.375,0.95)
  silkscreen extent -1.5,-1.55 0.46,1.92, body extent -1.63,-1.5 1.58,1.5, height 0.92
SOT-23-6 [mm]
  rect 1x0.55 smd: 1(-1.375,0.95) 2(-1.375,0) 3(-1.375,-0.95) 4(1.375,-0.95) 5(1.375,0) 6(1.375,0.95)
  silkscreen extent -1.5,-1.55 0.46,1.92, body extent -1.37,-1.44 1.47,1.49, height 1.05
"STM32 - COMBO 7X7MM" [mm] "LQFP48, 7x7mm"
  oval 0.8x0.25 smd: 1(-3.4,2.75) 2(-3.4,2.25) 3(-3.4,1.75) 4(-3.4,1.25) 5(-3.4,0.75) 6(-3.4,0.25) 7(-3.4,-0.25) 8(-3.4,-0.75) 9(-3.4,-1.25) 10(-3.4,-1.75) 11(-3.4,-2.25) 12(-3.4,-2.75) 25(3.4,-2.75) 26(3.4,-2.25) 27(3.4,-1.75) 28(3.4,-1.25) 29(3.4,-0.75) 30(3.4,-0.25) 31(3.4,0.25) 32(3.4,0.75) 33(3.4,1.25) 34(3.4,1.75) 35(3.4,2.25) 36(3.4,2.75)
  oval 0.25x0.8 smd: 13(-2.75,-3.4) 14(-2.25,-3.4) 15(-1.75,-3.4) 16(-1.25,-3.4) 17(-0.75,-3.4) 18(-0.25,-3.4) 19(0.25,-3.4) 20(0.75,-3.4) 21(1.25,-3.4) 22(1.75,-3.4) 23(2.25,-3.4) 24(2.75,-3.4) 37(2.75,3.4) 38(2.25,3.4) 39(1.75,3.4) 40(1.25,3.4) 41(0.75,3.4) 42(0.25,3.4) 43(-0.25,3.4) 44(-0.75,3.4) 45(-1.25,3.4) 46(-1.75,3.4) 47(-2.25,3.4) 48(-2.75,3.4)
  rect 5.6x5.6 smd: 47(0,0)
  silkscreen extent -4.43,-3.65 3.65,3.65, body extent -3.52,-3.52 3.52,3.52, height 0.5
WS2812B [mm]
  rect 1.5x0.9 smd: 1(-2.45,1.65) 2(-2.45,-1.65) 3(2.45,-1.65) 4(2.45,1.65)
  silkscreen extent -3.05,-2.5 2.5,3.07, body extent -2.65,-2.45 2.7,2.5, height 1.5
"XKB Switch" [mm] "XKB Enterprise TS-1187A-C-D-B"
  rect 1x0.75 smd: 1(-3,1.875) 1(3,1.875) 2(-3,-1.875) 2(3,-1.875)
  body extent -3.25,-2.55 3.25,2.55, height 2

## Part data
C301 C302 C303 C304 C305 C306 C313 C317 C401 C402 C403 C404 C405 C406 C407 C408 C409 C410 C411 C412 C413 C414 C415 C416: library part Cap, "Capacitor", LCSC MFG=YAGEO, LCSC Part #=C14663, MFG=KEMET, MFGPN=C0603C104M5RACTU, MRF.Part=CC0603KRX7R9BB104, Version="0603 imperial"
C309 C310 C312: library part Cap, "Capacitor", LCSC MFG="Samsung Electro-Mechanics", LCSC Part #=C19666
  C309: Version="0603 imperial"
C311: library part Cap, "Capacitor", LCSC MFG="Samsung Electro-Mechanics", LCSC Part #=C15849, MFG=KEMET, MFGPN=C0603C104M5RACTU, MRF.Part=CL10A105KB8NNNC, Version="0603 imperial"
CON101 CON303: "Header, 2-Pin"
CON301: LCSC MFG="Korean Hroparts Elec", LCSC Part #=C879746, MRF.Part=U-M-M5DD-W-2
D201 D202 D203 D204 D205 D206 D207 D208 D209 D210 D211 D212 D213 D214 D215 D216 D217 D218 D219 D220 D221 D222 D223 D224 D225 D226 D227 D228 D229 D230 D231 D232 D233 D234 D235 D236 D237 D238 D239 D240 D241 D242 D243 D244 D245 D246 D247 D248 D249 D250 D251 D252 D253 D254 D255 D256 D257 D258 D259 D260 D261 D262 D263 D264 D267: "Default Diode", LCSC MFG=ST(Semtech), LCSC Part #=C81598, MRF.Part=1N4148W, Version=SOD-123
D301: LCSC MFG="ProTek Devices", LCSC Part #=C85364, MRF.Part=SRV05-4-P-T7
D401 D402 D403 D404 D405 D406 D407 D408: "Typical RED, GREEN, YELLOW, AMBER GaAs LED"
D501 D502 D503 D504 D505 D506 D507 D508 D509 D510 D511 D512 D513 D514 D515 D516 D517 D518 D519 D520 D521 D522 D523 D524 D525 D526 D527 D528_1 D528_2 D529 D530 D531 D532 D533 D534 D535 D536 D537 D538 D539 D540 D541 D542 D543 D544_1 D544_2 D545 D546 D547 D548 D549 D550 D551 D552 D553 D554 D555 D556_1 D556_2 D557 D558 D559 D561_1 D561_2 D563 D564 D565 D566 D567_1 D567_2: "Typical INFRARED GaAs LED"
F301: "Thermal Fuse", LCSC MFG="Shenzhen JDT Fuse", LCSC Part #=C135338, MFG="Bel Fuse Inc.", MFGPN=0ZCJ0050FF2G, MRF.Part=ASMD1206-050
LED401 LED402 LED403 LED404 LED405 LED406 LED407 LED408 LED409 LED410 LED411 LED412 LED413 LED414 LED415 LED416: LCSC MFG=Worldsemi, LCSC Part #=C114586, MRF.Part=WS2812B-B
Q301: "P-Channel Power MOSFET", LCSC MFG="Vishay Intertech", LCSC Part #=C10487, MRF.Part=SI2301CDS-T1-GE3, Version=SOT23-3
Q302 Q502: library part MOSFET-N, "N-Channel MOSFET", LCSC MFG="Changjiang Electronics Tech (CJ)", LCSC Part #=C8545, MRF.Part=2N7002
Q501: library part PMOS-2, "P-Channel Power MOSFET", LCSC MFG="Vishay Intertech", LCSC Part #=C10487, MRF.Part=SI2301CDS-T1-GE3
R301 R303 R304: "Resistor", LCSC MFG="Uniroyal Elec", LCSC Part #=C25804, MFG="Panasonic Electronic Components", MFGPN=ERJ-3EKF5101V, MRF.Part=0603WAF1002T5E, Version="0603 imperial"
R305 R570: "Resistor", LCSC MFG="Uniroyal Elec", LCSC Part #=C25803, MRF.Part=0603WAF1003T5E, Version="0603 imperial"
R401 R402 R403 R404 R405 R406 R407 R408 R501 R502 R503 R504 R505 R506 R507 R508 R509 R510 R511 R512 R513 R514 R515 R516 R517 R518 R519 R520 R521 R522 R523 R524 R525 R526 R527 R528_1 R528_2 R529 R530 R531 R532 R533 R534 R535 R536 R537 R538 R539 R540 R541 R542 R543 R544 R545 R546 R547 R548 R549 R550 R551 R552 R553 R554 R554_2 R555 R556 R556_2 R557 R558 R559 R561_1 R561_2 R563 R565 R566 R567_1 R567_2 R654: "Resistor", LCSC MFG="Uniroyal Elec", LCSC Part #=C23228, MRF.Part=0603WAF6800T5E, Version="0603 imperial"
R568: "Resistor", LCSC MFG="Uniroyal Elec", LCSC Part #=C22976, MRF.Part=0603WAF2004T5E, Version="0603 imperial"
R569: "Resistor", LCSC MFG="Uniroyal Elec", LCSC Part #=C23138, MRF.Part=0603WAF3300T5E, Version="0603 imperial"
S201 S202 S203 S204 S205 S206 S207 S208 S209 S210 S211 S212 S213 S214 S216 S217 S218 S219 S220 S221 S222 S223 S224 S225 S226 S227 S228 S229 S230 S231 S232 S233 S234 S235 S236 S237 S238 S239 S240 S241 S242 S243 S244 S245 S246 S247 S248 S249 S250 S251 S252 S253 S254 S255 S256 S257 S258 S259 S260 S261 S262 S263 S264 S267: library part SW-PB, "Switch"
S215: library part SW-PB, "TAB"
S301: "Switch", LCSC MFG="XKB Enterprise", LCSC Part #=C318888, MFG=C&K, MFGPN="PTS645SM43SMTR92 LFS", MRF.Part=TS-1187A-C-D-B
U301: LCSC MFG=STMicroelectronics, LCSC Part #=C92504, MRF.Part=STM32F072CBU6
U302: LCSC MFG="Torex Semicon", LCSC Part #=C5446, MFG="Texas Instruments", MFGPN=TPS7A0533PDBZ, MRF.Part=XC6206P332MR
U303: "SN74LV1T125 or SN74LV1T34. Connect OE to GND", LCSC MFG="Texas Instruments", LCSC Part #=C473338, MRF.Part=SN74LV1T125DBVR, Version=SOT-23

## Free pads (board coordinates)
  round 1.152 hole 1.152 unplated paste+0.148 mask+0.148: ""(-281.686,3.175) ""(-278.892,87.503) ""(-8.509,89.408)

## Via types
v1: diameter 0.6, hole 0.3, Component Side to Bottom Layer, tented both sides, 287 vias
v2: diameter 0.6, hole 0.3, Component Side to Bottom Layer, tented bottom, 25 vias
v3: diameter 1, hole 0.5, Component Side to Bottom Layer, tented both sides, 1 vias

## Nets (pads, with @x,y where several pads share a name; then routed paths per layer and width w, separated by ;. In a path a pad name is that pad's centre, name@x,y a point inside that pad or via, vN(x,y) a via of type N, cw(c..) or ccw(c..) an arc to the next point about the centre after c; other vN are vias at no path point)
BOOT0: C309.1 CON303.1 R304.1 S301.2@-39.037,36.165 U301.44 | length 20.7
  Component Side w0.203: S301.2@-39.037,36.165 -39.037,37.643 cw(c-36.497,37.643) -38.293,39.439 -37.088,40.644 -34.793,42.939 cw(c-34.649,42.795) -34.727,42.983 cw(c-33.746,40.64) -33.746,43.18 CON303.1@-33.02,43.18 cw(c-32.713,42.873) -32.713,43.307 C309.1@-30.876,43.307 R304.1@-30.876,44.831 ccw(c-31.803,45.758) -30.492,45.758 -30.492,50.639 U301.44@-30.492,51.464
col1: S201.2 S202.2 S215.1 S216.2 S229.2 S230.2 S243.2 S244.2 S257.1 S258.2 U301.10 | length 251
  Component Side w0.203: U301.10@-27.842,56.614 ccw(c-27.842,57.883) -26.573,57.883 -26.573,66.014 cw(c-24.436,66.014) -26.085,67.373 cw(c-24.436,66.014) -25.946,67.526 -25.781,67.691 -25.311,68.161 cw(c-23.515,66.365) -23.515,68.905 S215.1@-10.102,68.905
  Bottom Layer w0.203: S258.2@-40.259,14.295 -40.259,30.805 cw(c-37.719,30.805) -37.719,33.345 S244.2@-35.5,33.345 ; S230.2@-38.677,49.855 -38.677,46.551 ccw(c-36.761,46.551) -36.761,44.635 -21.786,44.635 ccw(c-21.786,46.99) -19.431,46.99 -19.431,47.752 cw(c-17.328,47.752) -17.328,49.855 S229.2@-12.484,49.855 S229.2@-14.071,52.395 ; S258.2@-37.878,14.295 -29.825,14.295 cw(c-29.825,11.755) -28.029,13.551 -26.977,12.499 ccw(c-25.181,14.295) -25.181,11.755 S257.1@-10.102,11.755 -10.102,14.584 ccw(c-12.467,14.584) -10.795,16.256 -13.327,18.788 cw(c-11.531,20.584) -14.071,20.584 S243.2@-14.071,33.345 ; S216.2@-33.915,68.905 S215.1@-10.102,68.905 ; S202.2@-24.39,87.955 S201.2@-5.34,87.955 -5.34,74.72 cw(c-7.88,74.72) -6.084,72.924 S215.1@-10.102,68.905 ; S243.2@-17.246,30.805 S243.2@-14.071,33.345 ; -9.291,49.783 cw(c-7.721,49.855) -9.292,49.912 ; S243.2@-14.071,33.345 -8.745,38.671 ccw(c-10.541,40.467) -8.001,40.467 -8.001,48.146 ccw(c-8.204,48.147) -8.149,48.343 cw(c-7.721,49.855) -9.292,49.912 ; S229.2@-14.071,52.395 -11.831,52.395 cw(c-11.831,49.855) -9.292,49.912 ; S229.2@-14.071,52.395 -14.071,54.727 cw(c-11.531,54.727) -13.327,56.523 -10.846,59.004 ccw(c-12.642,60.8) -10.102,60.8 S215.1@-10.102,68.905